# Altium PCB sFMC-98_s1.PcbDoc (continued)
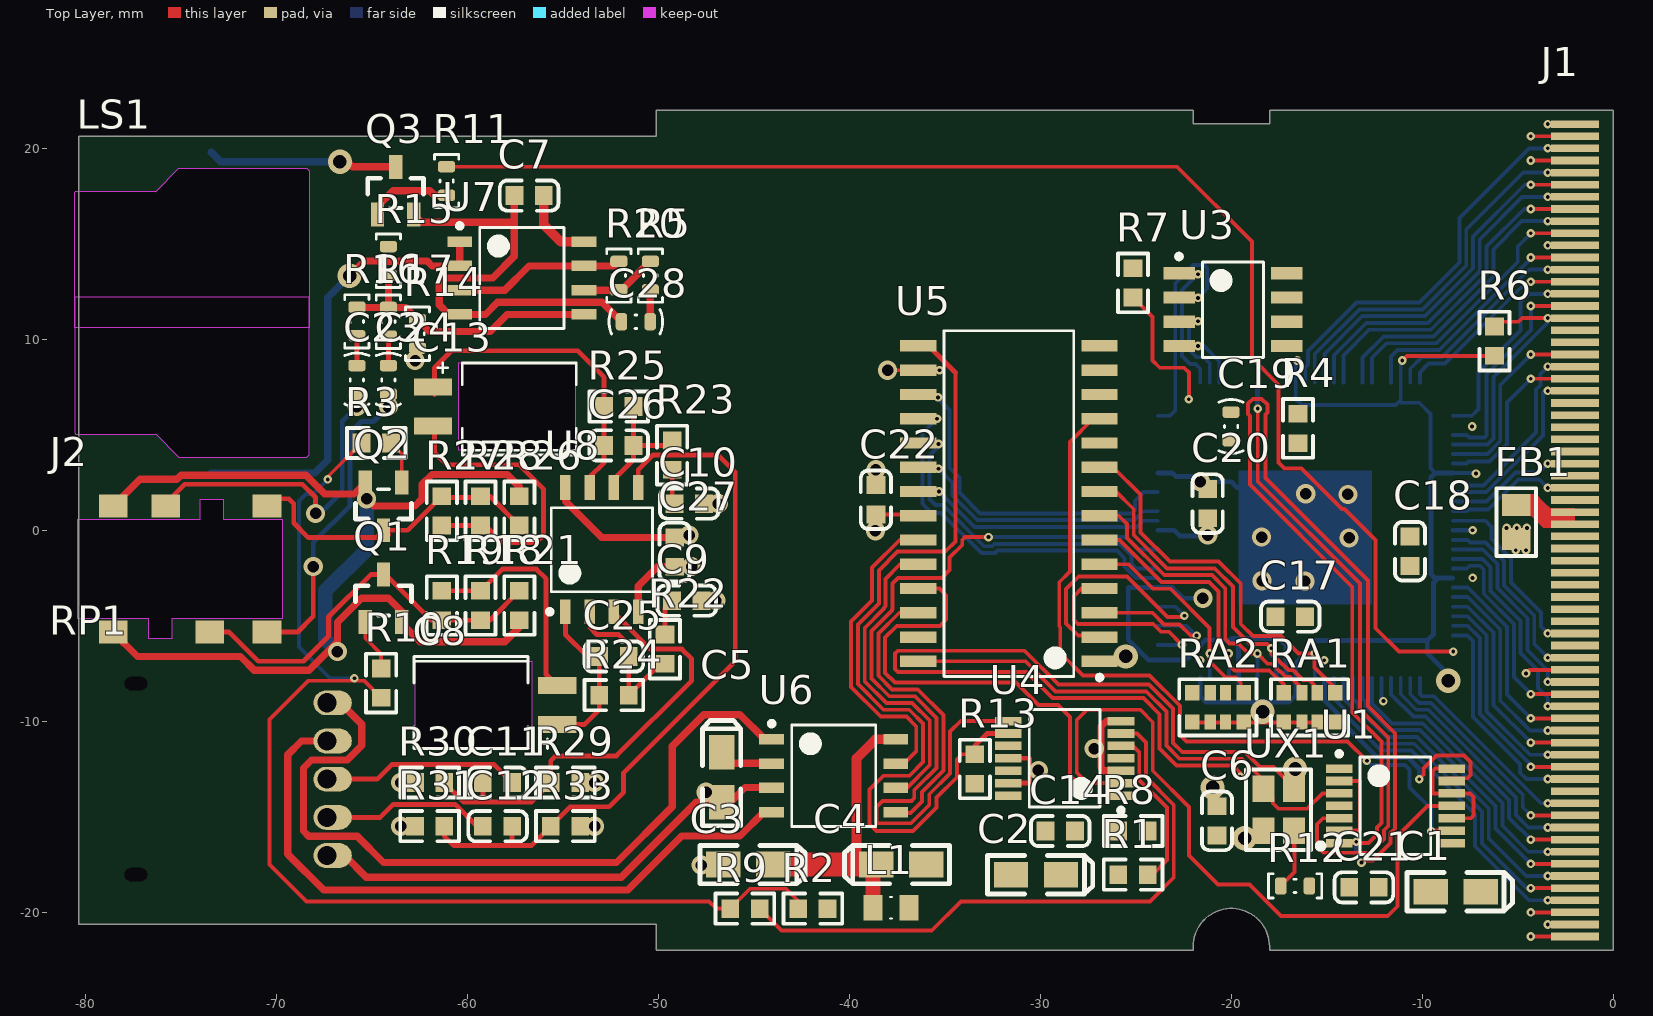
[diagram p0: Top Layer view]
## Nets (pads, with @x,y where several pads share a name; then routed paths per layer and width w, separated by ;. In a path a pad name is that pad's centre, name@x,y a point inside that pad or via, vN(x,y) a via of type N, cw(c..) or ccw(c..) an arc to the next point about the centre after c; other vN are vias at no path point)
5V: C6.2 C14.2 C17.2 C18.2 C20.2 C21.2 C22.1 FB1.2 L1.2 R4.2 R6.2 R7.2 R8.1 R13.2 R29.2 R33.2 RA1.5 RA1.6 RA1.7 RA1.8 RA2.5 RA2.6 RA2.7 RA2.8 U1.1 U1.4 U1.10 U1.12 U1.14 U2.14 U2.24 U2.38 U2.62 U2.73 U2.82 U2.93 U3.8 U4.14 U5.12 U5.22 U5.27 UX1.4 | length 69.7
  Top Layer w0.203: C22.1 -36.467,0.83 U5.22 ; RA2.5@-22.203,-10.066 -20.453,-10.066 -19.503,-10.066 -14.576,-10.066 RA1.8 ; v1(-11.049,8.89) -10.803,9.136 R6.2 ; U1.10 -7.457,-15.077 -7.315,-14.935 -7.315,-13.97 -7.508,-13.777 U1.12 -9.438,-13.777 -9.474,-13.741 -9.474,-12.624 -9.328,-12.477 U1.14
  Bottom Layer w0.203: v1@-16.629,8.81 U2.62 -16.629,6.875 -16.307,6.553 -11.405,6.553 -11.201,6.756 ; v1(-11.049,8.89) -11.129,8.81 U2.73 -11.129,6.829 -11.201,6.756 ; -9.319,3 -9.576,3.257 -9.576,6.096 -10.16,6.68 -11.125,6.68 -11.201,6.756 ; U2.82 -7.216,3 v1(-7.188,2.972)
  Bottom Layer w0.254: U2.38 -22.989,0 -22.684,-0.305 -21.285,-0.305 v2(-21.234,-0.254) ; U2.24 -21.629,-8.699 -21.336,-8.992 -16.993,-8.992 -16.629,-8.628 U2.14 -16.629,-6.952 -16.154,-6.477 -16.154,-6.26 -15.66,-5.766 -9.739,-5.766 ; v3(-8.636,-7.874) -8.865,-7.874 -8.585,-7.595 -9.739,-6.441 -9.739,-5.766 ; U2.93 -9.336,-2.5 ; U2.82 -9.319,3 -9.55,2.769 -9.55,-2.286 -9.336,-2.5 ; -9.739,-5.766 -9.408,-5.436 -9.408,-3.266 -9.408,-2.734 -9.255,-2.581 -9.336,-2.5
  other v1: -21.638,-6.804 -7.366,-2.489 -5.105,-1.043 -4.572,-1.043 -5.588,0.127 -5.055,0.127 -4.521,0.127 -16.549,8.89
  other v2: -53.34,-15.494 -53.34,-13.208 -38.633,-0.025
  other v3: -19.304,-16.129 -18.364,-9.5
5V_RAW: C1.1 FB1.1 J1.17 J1.51 | length 0.1
  Top Layer w0.203: J1.51@-2.066,0.381 J1.51
A5V: C3.1 C4.1 C7.1 C27.1 L1.1 R15.1 U6.8 U7.8 U8.8 | length 26.9
  Top Layer w0.381: U8.8 -54.864,1.524 -52.967,-0.373 C27.1
  Top Layer w0.508: C7.1 -55.999,15.994 -55.118,15.113 U7.8 ; -39.624,-17.501 -39.624,-11.938 -38.633,-10.947 U6.8
  Top Layer w0.762: L1.1 C4.1@-38.761,-17.664
  Top Layer w1.27: C3.1 -39.624,-17.501 C4.1 C4.1@-38.761,-17.664
  other v2: -48.387,-0.254
ATA_A0: U2.40 U5.20 | length 13.2
  Bottom Layer w0.203: v1(-35.331,3.226) -34.595,2.489 -34.595,1.824 -33.305,0.533 -25.078,0.533 -24.612,1 U2.40
ATA_A1: U2.39 U5.21 | length 12.4
  Bottom Layer w0.203: v1(-35.306,2.032) -33.452,0.178 -24.931,0.178 -24.609,0.5 U2.39
ATA_C\S\: U2.42 U5.17 | length 17
  Bottom Layer w0.203: v1(-35.357,6.96) -35.357,6.909 -34.747,6.299 -34.747,3.277 -34.239,2.769 -34.239,1.971 -33.157,0.889 -25.225,0.889 -25.044,1.07 -25.044,1.549 -24.594,2 U2.42
ATA_D0: RA2.4 U2.30 U5.2 | length 12
  Top Layer w0.203: U5.2@-27.635,-5.512 -28.016,-5.512 -28.651,-4.877 -28.651,-3.073 -27.991,-2.413 -25.471,-2.413 -23.337,-4.547 v1@-22.454,-4.547
  Bottom Layer w0.203: U2.30 -22.924,-4 v1(-22.454,-4.47)
ATA_D1: RA2.3 U2.28 U5.3 | length 7.8
  Top Layer w0.203: U5.3 -24.13,-4.318 -23.52,-4.928 -22.708,-4.928 -22.123,-5.512 v1(-21.819,-5.512)
  Bottom Layer w0.203: U2.28 -22.356,-5 v1@-21.831,-5.524
ATA_D2: RA2.2 U2.26 U5.4 | length 10.2
  Top Layer w0.203: U5.4 -27.838,-3.048 -28.245,-3.454 -28.245,-4.699 -28.042,-4.902 -24.085,-4.902 -23.678,-5.309 -23.268,-5.309 v1(-22.581,-5.996)
  Bottom Layer w0.203: U2.26 v1@-22.584,-6
ATA_D3: RA2.1 U2.23 U5.5 | length 12.8
  Top Layer w0.203: U5.5 -25.375,-1.778 -24.092,-3.06 -23.178,-3.06 -21.133,-5.105 v1(-21.133,-6.452) -21.133,-6.858 -20.295,-7.696 -19.787,-7.696 -19.503,-7.979 RA2.1@-19.503,-8.526
  Bottom Layer w0.203: v1(-21.133,-6.452) -21.129,-6.455 U2.23
ATA_D4: RA1.4 U2.21 U5.6 | length 16.5
  Top Layer w0.203: U5.6@-26.873,-0.533 U5.6 -25.857,-0.508 -23.66,-2.705 -21.166,-2.705 -20.676,-3.195 -20.676,-5.909 v1(-20.133,-6.452) -20.133,-7.045 -19.837,-7.341 -18.015,-7.341 -17.613,-7.743 -17.58,-7.743 -17.25,-8.073 RA1.4
  Bottom Layer w0.203: U2.21 v1@-20.129,-6.455
ATA_D5: RA1.3 U2.18 U5.7 | length 17.8
  Top Layer w0.203: U5.7 -25.893,0.762 -25.461,0.33 -25.461,-0.402 -23.513,-2.349 -21.018,-2.349 -20.32,-3.048 -20.32,-5.69 -20.091,-5.918 -19.634,-5.918 -19.101,-6.452 v1(-18.633,-6.452) -18.099,-6.985 -17.868,-6.985 -17.465,-7.388 -17.433,-7.388 -17.15,-7.671 -16.916,-7.671 -16.3,-8.287 RA1.3
  Bottom Layer w0.203: U2.18 v1@-18.629,-6.455
ATA_D6: RA1.2 U2.16 U5.8 | length 19.9
  Top Layer w0.203: U5.8 -26.035,2.032 -25.106,1.103 -25.106,-0.254 -23.366,-1.994 -20.866,-1.994 -19.914,-2.946 -19.914,-5.064 -19.03,-5.947 -18.137,-5.947 -17.912,-6.172 v1(-17.907,-6.172) -17.907,-6.443 -17.318,-7.032 -17.286,-7.032 -17.003,-7.315 -16.769,-7.315 -16.237,-7.847 -15.905,-7.847 -15.5,-8.252 RA1.2
  Bottom Layer w0.254: v1(-17.907,-6.172) -17.907,-6.502 -17.689,-6.721 ; -17.653,-6.756 -17.689,-6.721 ; U2.16 -17.629,-6.721 -17.689,-6.721
ATA_D7: RA1.1 U2.12 U5.9 | length 22.2
  Top Layer w0.203: U5.9@-26.924,3.277 U5.9@-26.162,3.277 ; U5.9 -26.187,3.302 U5.9@-26.162,3.277 ; RA1.1 -14.55,-8.284 -15.646,-7.188 -15.646,-6.465 v1(-15.633,-6.452) -16.485,-6.452 -17.395,-5.541 -18.862,-5.541 -19.507,-4.896 -19.507,-2.794 -20.662,-1.639 -23.219,-1.639 -24.75,-0.107 -24.75,1.865 U5.9@-26.162,3.277
  Bottom Layer w0.203: U2.12 v1@-15.629,-6.455
ATA_IRQ: U2.36 U4.8 | length 43.8
  Top Layer w0.203: v1(-32.715,-0.356) -33.934,-0.356 -34.087,-0.508 -34.087,-0.762 -34.747,-1.422 -34.747,-2.083 -35.158,-2.494 -37.454,-2.494 -37.745,-2.785 -37.745,-4.125 -37.77,-4.15 -37.77,-4.196 -38.837,-5.264 -38.837,-7.762 -37.912,-8.687 -36.566,-8.687 -35.433,-9.82 -35.433,-12.436 -36.601,-13.604 -36.601,-14.021 -36.754,-14.173 -38.268,-14.173 -38.583,-14.488 -38.583,-15.245 -38.491,-15.337 -36.775,-15.337 -35.814,-14.376 -35.814,-13.822 -34.723,-12.73 -34.723,-10.542 -34.169,-9.988 U4.8
  Bottom Layer w0.203: v1(-32.715,-0.356) -25.502,-0.356 -24.857,-1 U2.36
ATA_R\D\: U2.34 U5.19 | length 16.9
  Bottom Layer w0.203: v1(-35.331,4.521) -35.331,4.394 -35.81,3.915 -35.81,1.647 -35.484,1.321 -35.098,1.321 -32.942,-0.835 -32.517,-0.835 -32.393,-0.711 -25.832,-0.711 -25.229,-1.314 -25.229,-1.753 -24.981,-2 U2.34
ATA_W\R\: U2.33 U5.18 | length 19
  Bottom Layer w0.203: v1(-35.408,5.842) -36.166,5.084 -36.166,1.393 -35.687,0.914 -35.194,0.914 -33.09,-1.19 -32.37,-1.19 -32.246,-1.067 -25.979,-1.067 -25.584,-1.461 -25.584,-1.9 -24.984,-2.5 U2.33
GND: C1.2 C2.2 C3.2 C4.2 C5.2 C6.1 C7.2 C9.2 C10.1 C14.1 C17.1 C18.1 C19.1 C20.1 C21.1 C22.2 C27.2 C28.1 J1.1 J1.34 J1.35 J1.36 J1.57 J1.67 J1.68 J2.1 J2.2 Q1.2 Q2.2 Q3.2 R2.1 R12.1 R14.2 R21.1 R26.1 R30.1 R31.1 RP1.1 U1.7 U2.5 U2.15 U2.20 U2.32 U2.44 U2.68 U2.77 U2.88 U3.5 U3.6 U4.3 U4.7 U4.11 U4.13 U5.1 U5.14 U5.16 U6.3 U7.4 U8.4 UX1.2 | length 270.4
  Top Layer w0.203: v2(-37.998,8.382) U5.16 ; v1@-19.507,-12.776 -19.507,-12.725 -19.914,-12.319 -22.86,-12.319 -23.757,-11.422 -23.757,-9.633 -24.602,-8.788 -29.353,-8.788 -30.729,-7.412 -37.454,-7.412 -37.602,-7.263 -37.602,-6.453 -37.454,-6.304 -30.831,-6.304 -29.058,-8.077 -24.308,-8.077 -23.046,-9.339 -23.046,-11.127 -22.566,-11.608 -19.284,-11.608 -18.496,-12.395 -17.791,-12.395 -16.726,-13.46 UX1.2 ; U1.7 -12.812,-16.377 -12.369,-15.935 -12.369,-15.56 -12.141,-15.332 -12.141,-11.065 -13.665,-9.541 -13.665,-2.962 -19.025,2.397 -19.025,5.994 -19.123,6.092 -19.123,6.633 -18.876,6.88 -18.409,6.88 -18.114,6.584 -18.114,6.166 -18.212,6.068 -18.212,2.734 -12.852,-2.626 -12.852,-9.204 -11.43,-10.627 -11.43,-15.626 -11.659,-15.855 -11.659,-16.373 -12.573,-17.288 -13.072,-17.288 v1(-13.183,-17.399) ; v1(-4.572,-7.493) -4.384,-7.305 J1.57 ; v1(-4.318,-21.27) J1.68 ; v1(-4.318,-20.005) J1.67 ; v1(-4.318,19.365) J1.36 ; v1(-4.318,20.635) J1.35
  Top Layer w0.254: U4.13 -30.586,-13.238 -30.556,-13.208 -30.556,-11.963 -30.582,-11.938 U4.11
  Top Layer w0.381: J2.1 -77.269,-6.604 -71.882,-6.604 -71.158,-7.328 -68.288,-7.328 -66.802,-5.842 ; J2.2 -77.142,2.667 -75.214,2.667 -74.998,2.883 -68.446,2.883 -67.468,1.905 -65.934,1.905 Q2.2 -65.339,1.712 v2(-65.278,1.651) -64.897,1.27 -62.738,1.27 -62.357,1.651 -62.357,2.413 -61.849,2.921 -57.912,2.921 -57.277,2.286 R26.1 ; RP1.1 -66.428,-17.03 -65.297,-18.161 -51.943,-18.161 -48.021,-14.239 C5.2 -46.243,-14.239 -45.466,-13.462 U6.3@-43.941,-13.462 ; v2(-66.802,-6.35) -66.802,-5.842 ; Q3.2 -62.403,16.129 -57.539,16.129 ; C7.2 -57.539,16.129 ; R21.1 -57.277,-5.08 -58.039,-5.842 -62.484,-5.842 -63.439,-4.887 Q1.2 -63.439,-4.252 -64.135,-3.556 -65.549,-3.556 -66.802,-4.809 -66.802,-5.842 ; C28.1 -52.947,11.938 -58.42,11.938 -59.055,11.303 U7.4 -60.96,11.303 -61.468,11.811 -61.468,12.915 -61.192,13.191 -61.121,13.191 -61.104,13.208 -58.674,13.208 -57.539,14.343 -57.539,16.129 ; U8.4 -51.054,-2.921 -50.046,-1.913 C27.2 ; U4.3 -26.655,-12.588 -26.82,-12.423 -26.82,-10.271 -26.537,-9.988 U4.7
  Bottom Layer w0.203: U2.20@-19.634,-8.077 U2.20@-19.634,-7.72 ; U2.5 -12.129,-8.851 v1(-12.04,-8.941)
  Bottom Layer w0.254: U2.44 -23.084,3 -22.907,2.823 -21.899,2.823 v2(-21.615,2.54) -19.99,2.54 -19.685,2.235 -18.974,2.235 ; v2(-21.488,-3.556) -22.528,-3.556 -23.084,-3 U2.32 -25.397,-3 -25.397,-5.727 -24.342,-6.782 -22.456,-6.782 -22.395,-6.721 -22.314,-6.721 -21.334,-5.74 -20.041,-5.74 ; U2.20 -19.634,-7.72 -19.628,-7.714 -19.628,-5.74 -20.041,-5.74 ; U2.15 -17.129,-6.036 -17.497,-5.668 -19.968,-5.668 -20.041,-5.74 ; v1(-13.462,-16.307) -13.462,-17.12 v1(-13.183,-17.399) ; U2.88 v1(-7.366,0)
  Bottom Layer w0.762: v2(-66.802,-6.35) -67.437,-5.715 -67.437,-3.175 -65.278,-1.016 v2(-65.278,1.651)
  other v1: -3.429,-20.64 -19.533,-12.903 -7.391,5.436 -35.281,8.382 -3.429,21.27
  other v2: -47.752,-17.526 -63.5,-15.494 -47.498,-13.716 -63.5,-13.208 -30.099,-12.573 -27.178,-11.43 -46.99,-3.683 -16.144,-2.667 -18.39,-2.642 -48.26,-1.905 -13.833,-0.396 -18.415,-0.356 -46.863,1.397 -13.894,1.88 -16.104,1.915 -38.608,3.175 -62.738,8.89
  other v3: -20.98,-13.462 -16.662,-12.497 -25.527,-6.604
NetC2_1: C2.1 R1.1 R8.2
NetC5_1: C5.1 U6.2 | length 3
  Top Layer w0.203: U6.2@-44.068,-12.192 U6.2@-43.941,-12.192
  Top Layer w0.381: C5.1 -46.112,-12.192 U6.2@-44.068,-12.192
NetC8_1: C8.1 C25.1 R24.2 U8.1 | length 8.8
  Top Layer w0.254: C8.1 -53.856,-10.16 -53.094,-9.398 R24.2 C25.1 -53.721,-6.604 -54.864,-5.461 U8.1
NetC8_2: C8.2 R18.2 R19.2 | length 12
  Top Layer w0.254: R19.2 R18.2 -58.174,-2.032 -56.388,-2.032 -55.88,-2.54 -55.88,-7.547 C8.2
NetC9_1: C9.1 R22.1 | length 1.9
  Top Layer w0.254: R22.1 -49.657,-4.056 C9.1
NetC10_2: C10.2 R23.1 | length 1.8
  Top Layer w0.254: R23.1 -49.276,1.516 C10.2
NetC11_1: C11.1 RP1.3 | length 10.4
  Top Layer w0.254: RP1.3 -64.719,-13.03 -63.957,-12.268 -58.59,-12.268 C11.1
NetC11_2: C11.2 R29.1 R30.2 U8.3 | length 23.9
  Top Layer w0.254: R30.2 -60.19,-14.224 -59.182,-14.224 ; C11.2 -59.19,-14.216 -59.182,-14.224 ; U8.3 -52.324,-4.318 -50.419,-6.223 -48.768,-6.223 -48.26,-6.731 -48.26,-7.874 -52.197,-11.811 -55.372,-11.811 -55.634,-12.073 R29.1 -56.65,-14.224 -59.182,-14.224
NetC12_1: C12.1 RP1.2 | length 8.9
  Top Layer w0.254: RP1.2 -64.56,-15.03 -63.881,-14.351 -60.638,-14.351 -59.495,-15.494 C12.1
NetC12_2: C12.2 R31.2 R33.1 U8.5 | length 38.7
  Top Layer w0.254: R31.2 -61.206,-16.01 -60.706,-16.51 -57.658,-16.51 ; -57.65,-16.017 C12.2 -57.658,-15.502 -57.658,-16.51 ; U8.5 -51.054,3.175 -50.292,3.937 -46.863,3.937 -45.974,3.048 -45.974,-6.858 -51.816,-12.7 -51.816,-13.716 -52.578,-14.478 -54.618,-14.478 R33.1 -56.65,-16.51 -57.658,-16.51
NetC13_1: C13.1 C26.1 R25.2 U8.7 | length 17.3
  Top Layer w0.254: C13.1@-61.722,7.112 -61.722,8.509 -60.833,9.398 -54.229,9.398 -52.84,8.009 R25.2 C26.1 -52.84,3.548 -53.594,2.794 U8.7
NetC13_2: C13.2 R27.2 R28.2 | length 15.8
  Top Layer w0.254: C13.2@-61.722,5.08 -61.722,4.064 -61.087,3.429 -57.277,3.429 -56.007,2.159 -56.007,-0.254 -56.388,-0.635 -58.166,-0.635 -59.047,0.246 R28.2 R27.2
NetC19_2: C19.2 U2.56
NetC23_1: C23.1 J2.5 | length 16.2
  Top Layer w0.254: J2.5 -75.791,1.425 -74.803,2.413 -68.64,2.413 -67.945,1.718 v2(-67.945,0.889)
  Bottom Layer w0.254: v2(-67.945,0.889) -67.691,0.889 -66.548,2.032 -66.548,5.715 v2(-65.786,6.477)
NetC23_2: C23.2 R16.2 | length 1.6
  Top Layer w0.254: C23.2 R16.2
NetC24_1: C24.1 J2.6 | length 15.7
  Top Layer w0.254: J2.6 -68.894,-5.332 -68.072,-4.51 v2(-68.072,-1.905)
  Bottom Layer w0.254: v2(-68.072,-1.905) -68.072,-0.635 -66.142,1.295 -66.142,5.105 -65.549,5.698 -64.914,5.698 v2(-64.135,6.477)
NetC24_2: C24.2 R17.2 | length 1.5
  Top Layer w0.254: C24.2 R17.2
NetC25_2: C25.2 R22.2 R24.1 U8.2 | length 8.5
  Top Layer w0.254: U8.2 -53.594,-5.08 -53.213,-5.461 -52.07,-5.461 -51.554,-5.977 C25.2 R24.1 -49.911,-6.993 R22.2
NetC26_2: C26.2 R23.2 R25.1 U8.6 | length 6.8
  Top Layer w0.254: U8.6 -52.324,2.667 -51.3,3.691 C26.2 ; R25.1 C26.2 ; R23.2 -49.538,4.445 C26.2
NetC28_2: C28.2 R5.2 | length 1.7
  Top Layer w0.381: C28.2 -50.419,10.934 R5.2
NetJ1_33: J1.33 U2.10 | length 17.8
  Bottom Layer w0.203: U2.10 -14.629,-8.815 -14.051,-9.393 -14.051,-9.652 -12.172,-11.532 -10.566,-11.532 -7.231,-14.867 -7.231,-16.543 -4.404,-19.37 v1(-3.429,-19.37)
NetJ2_3: J2.3 Q2.3 R26.2 R27.1 R28.1 | length 16.7
  Top Layer w0.254: J2.3 -70.108,1.651 -69.342,1.651 -69.088,1.397 -69.088,0.381 -68.326,-0.381 -64.77,-0.381 Q2.3 -63.119,0 -62.276,0.843 -62.276,0.851 R27.1@-61.412,1.714 ; Q2.3@-64.389,-0.234 Q2.3@-64.115,-0.234 ; R27.1 R27.1@-61.412,1.714 ; R26.2 -58.817,1.786 R28.1 -59.38,1.714 R27.1@-61.412,1.714
NetJ2_4: J2.4 Q1.3 R18.1 R19.1 R21.2 | length 21
  Top Layer w0.254: J2.4 -72.468,-5.332 -70.942,-6.858 -68.58,-6.858 -67.272,-5.55 -67.272,-4.534 -65.044,-2.306 Q1.3 -64.301,-2.306 -61.9,-4.707 R19.1 R18.1 -58.817,-4.707 R21.2
NetLS1_1: LS1.1 U7.1 U7.2 | length 24
  Top Layer w0.381: v3(-66.167,13.335) -65.405,14.097 -64.659,14.097 -64.639,14.077 -63.631,14.077 -63.611,14.097 -62.103,14.097 -61.849,13.843 U7.2 U7.1
  Bottom Layer w0.381: LS1.1 -67.996,2.997 -67.31,3.683 -67.31,12.192 v3(-66.167,13.335)
NetLS1_2: LS1.2 Q3.3 | length 10
  Top Layer w0.381: v3(-66.675,19.304) -66.294,19.304 -66.02,19.03 Q3.3
  Bottom Layer w0.381: LS1.2 -72.913,19.304 v3(-66.675,19.304)
NetQ1_1: Q1.1 R10.1 | length 2.8
  Top Layer w0.203: Q1.1 -65.339,-5.654 -64.516,-6.477 R10.1
NetQ2_1: Q2.1 R3.1 | length 2.3
  Top Layer w0.203: R3.1 -63.439,4.011 Q2.1
NetQ3_1: Q3.1 R11.1 | length 4.5
  Top Layer w0.381: Q3.1 -64.704,16.957 -63.881,17.78 -61.976,17.78 -61.734,17.538 R11.1
NetR1_2: R1.2 U4.5 | length 8.7
  Top Layer w0.203: U4.5 -25.143,-11.288 -24.823,-11.608 -24.823,-13.068 -23.368,-14.523 -23.368,-17.272 -24.13,-18.034 R1.2
NetR2_2: R2.2 R3.2 R9.2 R10.2 | length 60.2
  Top Layer w0.203: v1(-67.31,2.667) -67.31,2.802 R3.2 ; R10.2 -65.413,-7.874 -68.326,-7.874 -70.358,-9.906 -70.358,-17.501 -68.428,-19.431 -47.346,-19.431 -46.965,-19.812 R9.2 -45.195,-18.771 -43.307,-18.771 -42.68,-19.398 R2.2
  Bottom Layer w0.203: v1(-67.31,2.667) -68.072,1.905 -68.453,1.905 -68.826,1.532 -68.826,-6.104 -67.183,-7.747 v1(-65.913,-7.747)
NetR4_1: R4.1 U2.60
NetR5_1: R5.1 R20.1 U7.6 | length 4.1
  Top Layer w0.381: U7.6 -52.082,12.573 R20.1 -51.919,12.585 R5.1
NetR7_1: R7.1 U2.51 | length 7.3
  Top Layer w0.203: R7.1 -24.13,11.168 -24.13,8.89 -23.749,8.509 -22.479,8.509 -22.225,8.255 v1(-22.225,6.858)
NetR9_1: R9.1 U4.6 | length 32.5
  Top Layer w0.203: R9.1 -43.553,-20.955 -35.687,-20.955 -34.163,-19.431 -24.257,-19.431 -23.013,-18.187 -23.013,-14.376 -24.468,-12.921 -24.468,-11.117 -24.947,-10.638 U4.6
NetR12_2: R12.2 UX1.1 | length 4.1
  Top Layer w0.203: R12.2 -16.688,-17.894 -16.688,-15.769 UX1.1 -16.726,-16.624
NetR14_1: R14.1 R15.2 R16.1 R17.1 U7.5 | length 14.5
  Top Layer w0.381: R16.1 -65.774,11.672 R17.1 ; R15.2 R17.1 ; U7.5 -57.912,11.303 -58.801,10.414 -61.988,10.414 R14.1 -63.246,11.672 R17.1
NetR20_2: R20.2 U7.3 U7.7 | length 9
  Top Layer w0.381: U7.3 -58.039,12.573 -56.769,13.843 U7.7 -52.312,13.843 R20.2
NetRP1_4: RP1.4 U6.4 | length 35.4
  Top Layer w0.381: RP1.4 -68.688,-11.03 -69.406,-11.748 -69.406,-16.954 -67.526,-18.834 -51.608,-18.834 -48.776,-16.002 -45.72,-16.002 -44.475,-14.757 U6.4
NetRP1_5: RP1.5 U6.1 | length 41
  Top Layer w0.381: RP1.5 -66.662,-9.03 -65.532,-10.16 -65.532,-11.263 -66.293,-12.023 -68.157,-12.023 -68.58,-12.446 -68.58,-15.748 -68.305,-16.023 -65.765,-16.023 -64.389,-17.399 -52.197,-17.399 -49.276,-14.478 -49.276,-11.303 -47.625,-9.652 -45.72,-9.652 -44.425,-10.947 U6.1
NetU1_2: U1.2 U1.6 | length 4.8
  Top Layer w0.203: U1.6 -13.314,-15.727 -13.259,-15.672 -13.259,-13.132 -13.263,-13.127 U1.2
NetU1_5: U1.5 U2.58 | length 33.2
  Top Layer w0.203: v1(-18.618,6.375) -18.618,2.565 -13.259,-2.794 -13.259,-9.373 -11.785,-10.846 -11.785,-15.479 -12.014,-15.708 -12.014,-16.154 -12.741,-16.882 -15.17,-16.882 -15.519,-16.533 -15.519,-15.392 -15.204,-15.077 U1.5
  Bottom Layer w0.254: U2.58 -18.629,6.386 v1(-18.618,6.375)
NetU1_9: U1.9 U5.11 | length 39.8
  Top Layer w0.203: U5.11 -27.238,5.842 -28.448,4.632 -28.448,-2.159 -29.007,-2.718 -29.007,-5.024 -28.956,-5.075 -28.956,-6.41 -27.771,-7.595 -24.282,-7.595 -22.691,-9.186 -22.691,-10.71 -22.352,-11.049 -13.919,-11.049 v1(-12.903,-12.065) ; v1(-9.525,-15.748) -9.504,-15.727 U1.9
  Bottom Layer w0.203: v1(-12.903,-12.065) -12.674,-12.294 -10.902,-12.294 -10.668,-12.528 -10.668,-13.462 -9.525,-14.605 v1(-9.525,-15.748)
NetU1_11: U1.11 U4.2 | length 37.1
  Top Layer w0.203: U4.2 -27.529,-13.238 -28.093,-12.674 -28.093,-9.932 -27.559,-9.398 -24.765,-9.398 -24.113,-10.05 -24.113,-12.59 -22.225,-14.478 -22.225,-17.018 -20.701,-18.542 -19.05,-18.542 -17.399,-20.193 -11.811,-20.193 -11.303,-19.685 -11.303,-16.002 -9.728,-14.427 U1.11
NetU1_13: U1.13 U2.11 | length 14.4
  Top Layer w0.203: v1(-10.16,-13.03) -9.931,-12.802 -9.931,-12.471 -9.247,-11.787 -7.825,-11.787 -7.475,-12.136 -7.475,-12.818 -7.639,-12.982 -8.815,-12.982 -8.815,-13.127 U1.13
  Bottom Layer w0.254: U2.11 -15.129,-8.899 -14.432,-9.596 -14.432,-9.81 -12.329,-11.913 -10.744,-11.913 -10.16,-12.497 v1(-10.16,-13.03)
  other v1: -15.136,-6.806
NetU2_50: U2.50 U3.2 | length 11.6
  Bottom Layer w0.203: U2.50 -23.21,6 -22.936,6.274 -22.936,12.929 -21.975,13.89 -21.409,13.89 -21.263,13.745 -21.263,12.646 v1(-21.742,12.167)
NetU2_52: U2.52 U3.1 | length 6.6
  Bottom Layer w0.203: v1(-21.742,13.411) -22.581,12.573 -22.581,9.119 -22.166,8.704 -21.874,8.704 -21.629,8.459 U2.52
NetU2_53: U2.53 U3.3 | length 4.3
  Bottom Layer w0.203: v1(-21.742,10.947) -22.098,10.947 -22.221,10.824 -22.221,9.454 -21.827,9.06 -21.445,9.06 -21.129,8.744 U2.53
NetU2_54: U2.54 U3.4 | length 2.6
  Bottom Layer w0.203: v1(-21.742,9.652) -21.438,9.652 -20.629,8.843 U2.54
PC_A0: J1.29 U2.1 | length 9.9
  Bottom Layer w0.203: U2.1 -10.129,-8.581 -10.023,-8.687 -9.388,-8.687 -3.785,-14.29 v1(-3.429,-14.29)
PC_A1: J1.28 U2.99 | length 10.7
  Bottom Layer w0.203: U2.99 -7.632,-5.5 -7.341,-5.791 -7.341,-9.776 -4.877,-12.239 -4.877,-12.695 -4.552,-13.02 v1(-3.429,-13.02)
PC_A2: J1.27 U2.97 | length 10.3
  Bottom Layer w0.203: U2.97 -7.626,-4.5 -6.629,-5.496 -6.629,-9.481 -4.36,-11.75 v1(-3.429,-11.75)
PC_A3: J1.26 U2.95 | length 10
  Bottom Layer w0.203: U2.95 -7.62,-3.5 -5.918,-5.202 -5.918,-8.922 -4.36,-10.48 v1(-3.429,-10.48)
PC_A4: J1.25 U2.91 | length 10.7
  Bottom Layer w0.203: U2.91 -6.838,-1.5 -6.426,-1.912 -6.426,-3.175 -4.851,-4.75 -4.851,-6.428 -3.937,-7.342 -3.937,-8.257 -3.429,-8.765 v1(-3.429,-9.21)
PC_A5: J1.24 U2.90 | length 9.9
  Bottom Layer w0.203: U2.90 -6.835,-1 -6.071,-1.764 -6.071,-3.028 -4.496,-4.603 -4.496,-6.281 -3.429,-7.347 v1(-3.429,-7.94)
PC_A6: J1.23 U2.89 | length 9.2
  Bottom Layer w0.203: U2.89 -7.628,-0.5 -7.484,-0.644 -6.688,-0.644 -5.715,-1.617 -5.715,-2.88 -4.14,-4.455 -4.14,-5.959 v1(-3.429,-6.67)
PC_A7: J1.22 U2.87 | length 9
  Bottom Layer w0.203: U2.87 -6.698,0.5 -6.375,0.178 -6.375,-0.454 -5.359,-1.47 -5.359,-2.733 -3.785,-4.308 -3.785,-5.044 v1(-3.429,-5.4)
PC_A8: J1.12 U2.84 | length 8.5
  Bottom Layer w0.203: U2.84 -6.651,2 -3.683,4.968 -3.683,7.221 -3.604,7.3 v1(-3.429,7.3)
PC_A9: J1.11 U2.83 | length 9.3
  Bottom Layer w0.203: U2.83 -7.67,2.5 -7.525,2.356 -6.798,2.356 -4.039,5.115 -4.039,7.368 -3.81,7.596 -3.81,8.189 v1(-3.429,8.57)
PC_A10: J1.8 U2.76 | length 9.6
  Bottom Layer w0.203: U2.76 -7.411,6 -7.061,6.35 -7.061,8.255 -4.851,10.465 -4.851,11.948 -4.42,12.38 v1(-3.429,12.38)
PC_C\E\1\: J1.7 U2.74 | length 10.1
  Bottom Layer w0.203: U2.74 -10.629,8.459 -10.006,9.082 -8.968,9.082 -4.399,13.65 v1(-3.429,13.65)
PC_C\E\2\: J1.42 U2.78 | length 11.9
  Top Layer w0.203: v1(-4.318,11.745) J1.42
  Bottom Layer w0.203: U2.78 -7.67,5 -7.525,4.856 -6.752,4.856 -6.629,4.978 -6.629,8.174 -4.318,10.485 v1(-4.318,11.745)
PC_D0: J1.30 U2.3 | length 12
  Bottom Layer w0.203: U2.3 -11.129,-8.587 -10.318,-9.398 -9.683,-9.398 -5.097,-13.983 -5.097,-14.913 -4.45,-15.56 v1(-3.429,-15.56)
PC_D1: J1.31 U2.6 | length 14.5
  Bottom Layer w0.203: U2.6 -12.629,-9.063 -11.582,-10.109 -9.977,-10.109 -5.809,-14.278 -5.809,-15.472 -4.45,-16.83 v1(-3.429,-16.83)
PC_D2: J1.32 U2.8 | length 16.2
  Bottom Layer w0.203: U2.8 -13.629,-8.809 -13.34,-9.098 -13.34,-9.357 -11.877,-10.82 -10.272,-10.82 -6.52,-14.572 -6.52,-16.137 -4.557,-18.1 v1(-3.429,-18.1)
PC_D3: J1.2 U2.63 | length 20
  Bottom Layer w0.203: U2.63 -16.129,8.534 -15.985,8.679 -15.985,9.38 -13.438,11.927 -10.146,11.927 -8.056,14.017 -8.056,16.354 -4.409,20 v1(-3.429,20)
PC_D4: J1.3 U2.64 | length 18.7
  Bottom Layer w0.203: U2.64 -15.629,9.232 -13.291,11.571 -9.999,11.571 -7.7,13.87 -7.7,15.744 -4.714,18.73 v1(-3.429,18.73)
PC_D5: J1.4 U2.66 | length 17.1
  Bottom Layer w0.203: U2.66 -14.629,9.166 -12.935,10.86 -9.704,10.86 -6.989,13.575 -6.989,15.241 -4.77,17.46 v1(-3.429,17.46)
PC_D6: J1.5 U2.69 | length 14.8
  Bottom Layer w0.203: U2.69 -13.129,9.04 -12.021,10.149 -9.41,10.149 -6.278,13.281 -6.278,14.708 -4.796,16.19 v1(-3.429,16.19)
PC_D7: J1.6 U2.71
  other v1: -3.429,14.92
PC_D8: J1.64 U2.4 | length 14.2
  Top Layer w0.203: v1(-4.318,-16.195) J1.64
  Bottom Layer w0.203: U2.4 -11.629,-8.589 -10.465,-9.754 -9.83,-9.754 -5.453,-14.131 -5.453,-15.06 v1(-4.318,-16.195)
PC_D9: J1.65 U2.7 | length 16.6
  Top Layer w0.203: v1(-4.318,-17.465) J1.65
  Bottom Layer w0.203: U2.7 -13.129,-8.807 -12.985,-8.951 -12.985,-9.21 -11.73,-10.465 -10.125,-10.465 -6.164,-14.425 -6.164,-15.619 v1(-4.318,-17.465)
PC_D10: J1.66 U2.9 | length 18.5
  Top Layer w0.203: v1(-4.318,-18.735) J1.66
  Bottom Layer w0.203: U2.9 -14.129,-8.812 -13.696,-9.246 -13.696,-9.504 -12.024,-11.176 -10.419,-11.176 -6.875,-14.72 -6.875,-16.396 -4.537,-18.735 v1(-4.318,-18.735)
PC_D11: J1.37 U2.65 | length 19.3
  Top Layer w0.203: v1(-4.318,18.095) J1.37
  Bottom Layer w0.203: U2.65 -15.129,9.23 -13.143,11.215 -9.851,11.215 -7.344,13.722 -7.344,15.389 -4.638,18.095 v1(-4.318,18.095)
PC_D12: J1.38 U2.67 | length 17.6
  Top Layer w0.203: v1(-4.318,16.825) J1.38
  Bottom Layer w0.203: U2.67 -14.129,9.163 -12.788,10.504 -9.557,10.504 -6.633,13.428 -6.633,14.855 -4.663,16.825 v1(-4.318,16.825)
PC_D13: J1.39 U2.70 | length 15.1
  Top Layer w0.203: v1(-4.318,15.555) J1.39
  Bottom Layer w0.203: U2.70 -12.629,9.037 -11.873,9.793 -9.262,9.793 -5.004,14.051 -5.004,14.869 v1(-4.318,15.555)
PC_D14: J1.40 U2.72 | length 13.2
  Top Layer w0.203: v1(-4.318,14.285) J1.40
  Bottom Layer w0.203: U2.72 -11.629,9.097 -11.289,9.437 -9.115,9.437 -4.318,14.234 v1(-4.318,14.285)
PC_D15: J1.41 U2.75 | length 10.6
  Top Layer w0.203: v1(-4.318,13.015) J1.41
  Bottom Layer w0.203: U2.75 -10.129,8.266 -9.669,8.726 -8.82,8.726 -4.532,13.015 v1(-4.318,13.015)
PC_H\W\E\: J1.15 U2.85 | length 5.8
  Bottom Layer w0.203: U2.85 -6.648,1.5 -5.126,3.023 -3.896,3.023 v1(-3.429,3.49)
PC_I\N\P\A\C\K\: J1.60 U2.96 | length 11.6
  Top Layer w0.203: v1(-4.318,-11.115) J1.60
  Bottom Layer w0.203: U2.96 -7.623,-4 -6.274,-5.349 -6.274,-9.159 v1(-4.318,-11.115)
PC_I\O\R\D\: J1.44 U2.80 | length 10.3
  Top Layer w0.203: v1(-4.318,9.205) J1.44
  Bottom Layer w0.203: U2.80 -6.587,4 -5.918,4.668 -5.918,7.605 v1(-4.318,9.205)
PC_I\O\W\R\: J1.45 U2.81 | length 9.5
  Top Layer w0.203: v1(-4.318,7.935) J1.45
  Bottom Layer w0.203: U2.81 -7.676,3.5 -7.58,3.596 -6.488,3.596 -5.563,4.521 -5.563,6.69 v1(-4.318,7.935)
PC_I\R\E\Q\: J1.16 U2.86 | length 5.9
  Bottom Layer w0.203: U2.86 -7.661,1 -7.565,1.096 -6.549,1.096 -4.978,2.667 -3.876,2.667 v1(-3.429,2.22)
PC_O\E\: J1.9 R6.1 U2.79 | length 14.1
  Top Layer w0.203: R6.1 -5.977,10.922 -4.953,10.922 -4.765,11.11 v1(-3.429,11.11) J1.9
  Bottom Layer w0.203: U2.79 -6.59,4.5 -6.274,4.816 -6.274,8.026 -3.429,10.871 v1(-3.429,11.11)
PC_R\E\G\: J1.61 U2.98 | length 11.8
  Top Layer w0.203: v1(-4.318,-12.385) J1.61
  Bottom Layer w0.203: U2.98 -7.629,-5 -6.985,-5.644 -6.985,-9.628 -4.318,-12.295 v1(-4.318,-12.385)
PC_RESET: J1.58 U2.92 | length 11.6
  Top Layer w0.203: v1(-4.318,-8.575) J1.58
  Bottom Layer w0.203: U2.92 -7.67,-2 -7.525,-1.856 -6.985,-1.856 -6.782,-2.059 -6.782,-3.322 -5.207,-4.897 -5.207,-7.686 v1(-4.318,-8.575)
PC_STSCHG: J1.63 U2.2 | length 12.5
  Top Layer w0.203: v1(-4.318,-14.925) J1.63
  Bottom Layer w0.203: U2.2 -10.629,-8.584 -10.17,-9.042 -9.535,-9.042 -4.742,-13.836 -4.742,-14.501 v1(-4.318,-14.925)
PC_W\A\I\T\: J1.59 U2.94 | length 11.3
  Top Layer w0.203: v1(-4.318,-9.845) J1.59
  Bottom Layer w0.203: U2.94 -7.617,-3 -5.563,-5.055 -5.563,-8.6 v1(-4.318,-9.845)
SPK_ENABLE: R11.2 U2.100 | length 71.9
  Top Layer w0.203: R11.2 -22.848,19.038 -18.923,15.113 -18.923,9.017 -17.526,7.62 -17.526,3.556 -17.209,3.239 -16.319,3.239 -14.206,1.126 -14.08,1.126 -12.446,-0.508 -12.446,-5.131 -11.227,-6.35 v1(-8.382,-6.35)
YM_BCO: U5.23 U6.7 | length 16.6
  Top Layer w0.203: U6.7 -37.135,-12.217 -36.5,-11.582 -36.5,-10.262 -37.008,-9.754 -38.354,-9.754 -39.903,-8.204 -39.903,-4.775 -38.811,-3.683 -38.811,-1.956 -37.363,-0.508 U5.23
YM_I\R\Q\: R13.1 U4.9 U5.15 | length 44.6
  Top Layer w0.203: -34.442,8.257 -34.442,-0.584 -34.976,-1.118 -37.47,-1.118 -38.456,-2.103 -38.456,-3.83 -39.548,-4.922 -39.548,-8.057 -38.207,-9.398 -36.861,-9.398 -36.144,-10.114 -36.144,-12.141 -36.855,-12.852 -38.217,-12.852 -38.938,-13.574 -38.938,-15.392 -38.583,-15.748 -36.658,-15.748 -35.433,-14.523 -35.433,-13.995 -34.367,-12.929 -34.367,-11.99 -34.104,-11.727 R13.1
  Top Layer w0.254: U5.15 -35.837,9.652 -34.442,8.257 ; R13.1 -33.426,-11.278 -32.787,-10.638 U4.9
YM_LRO: U5.26 U6.5 | length 15.1
  Top Layer w0.203: U6.5@-37.009,-14.808 -36.805,-14.808 -36.195,-14.199 -36.195,-13.7 -35.078,-12.583 -35.078,-9.673 -36.419,-8.332 -37.765,-8.332 -38.482,-7.615 -38.482,-5.411 -37.389,-4.318 U5.26
YM_MCLK: U1.3 U5.28 UX1.3 | length 27.2
  Top Layer w0.203: U5.28 -30.78,-6.858 -29.205,-8.433 -24.455,-8.433 -23.402,-9.486 -23.402,-11.275 -22.713,-11.963 -19.431,-11.963 UX1.3@-18.326,-13.068 ; UX1.3@-18.237,-13.157 UX1.3@-18.326,-13.068 ; U1.3 -15.225,-13.777 -16.027,-14.58 -17.526,-14.58 -17.831,-14.275 -17.831,-14.026 UX1.3 UX1.3@-18.326,-13.068
YM_SO: U5.24 U6.6 | length 16.7
  Top Layer w0.203: U6.6 -36.988,-13.487 -35.789,-12.289 -35.789,-9.967 -36.713,-9.043 -38.059,-9.043 -39.192,-7.91 -39.192,-5.116 -38.176,-4.1 -38.176,-4.054 -38.1,-3.978 -38.1,-2.54 -37.338,-1.778 U5.24
YM_WCO: U4.1 U5.25 | length 25.1
  Top Layer w0.203: U5.25 -35.281,-3.048 -34.925,-3.404 -34.925,-4.674 -35.255,-5.004 -37.516,-5.004 -38.126,-5.614 -38.126,-7.468 -37.619,-7.976 -31.267,-7.976 -30.099,-9.144 -29.083,-9.144 -28.448,-9.779 -28.448,-12.827 -27.387,-13.888 U4.1
pads on no net: J1.10 J1.13 J1.14 J1.18 J1.19 J1.20 J1.21 J1.43 J1.46 J1.47 J1.48 J1.49 J1.50 J1.52 J1.53 J1.54 J1.55 J1.56 J1.62 RP1.0 U1.8 U2.13 U2.17 U2.19 U2.22 U2.25 U2.27 U2.29 U2.31 U2.35 U2.37 U2.41 U2.43 U2.45 U2.46 U2.47 U2.48 U2.49 U2.55 U2.57 U2.59 U2.61 U3.7 U4.4 U4.10 U4.12 U5.10 U5.13

## Other copper
Top Layer:
  region net 5V_RAW: -5.791,0.762 -4.293,0.762 -3.658,0.127 -2.007,0.127 -2.007,1.143 -3.302,1.143 -3.632,1.473 -4.039,1.88 -5.817,1.88
Bottom Layer:
  rectangle net GND: -19.624,-3.876 -12.624,3.124
  region: -20.142,3.785

## Silkscreen, mask and mechanical layers (free items; w line width, h text height)
Mechanical 1:
  lines w0.1: -84.6,0 10.4,0 ; -0.025,-22 -0.025,22 ; -80.35,-20.625 -80.35,20.625 -50.1,20.625 -50.1,22 -22,22 -22,21.3 -18,21.3 -18,22 0,22 0,-22 -18,-22 -18,-21.8 ccw(c-20,-21.8) -22,-21.8 -22,-22 -50.1,-22 -50.1,-20.625 -80.35,-20.625
Mechanical 13:
  lines w0.15: -79.457,0 6.143,0 ; -79.457,24.003 -79.454,24 ; 5.943,-27 -79.457,27 ; 5.943,27 -79.457,-27 ; -79.457,-27 -79.457,27 ; -79.457,-27 6.143,-27 6.143,27 -79.457,27

## Text inside footprints (layer, text, board x,y; h text height)
RP1: Mechanical 1 "ALPS RK10J12E" at -71.054,-18.23 h0.76 r90
U2: Bottom Overlay "1" at -9.129,-9.925 h0.76; Bottom Overlay "25" at -22.329,-9.925 h0.76; Bottom Overlay "26" at -26.029,-8.325 h0.76 r270; Bottom Overlay "51" at -24.454,9.9 h0.76 r180; Bottom Overlay "76" at -6.229,8.325 h0.76 r90; Bottom Overlay "50" at -26.054,6.2 h0.76 r270; Bottom Overlay "75" at -9.929,9.925 h0.76 r180; Bottom Overlay "100" at -6.204,-6.2 h0.76 r90